# Altium PCB BMS_V2.1_Adv.PcbDoc (part 1 of 4) (continued)
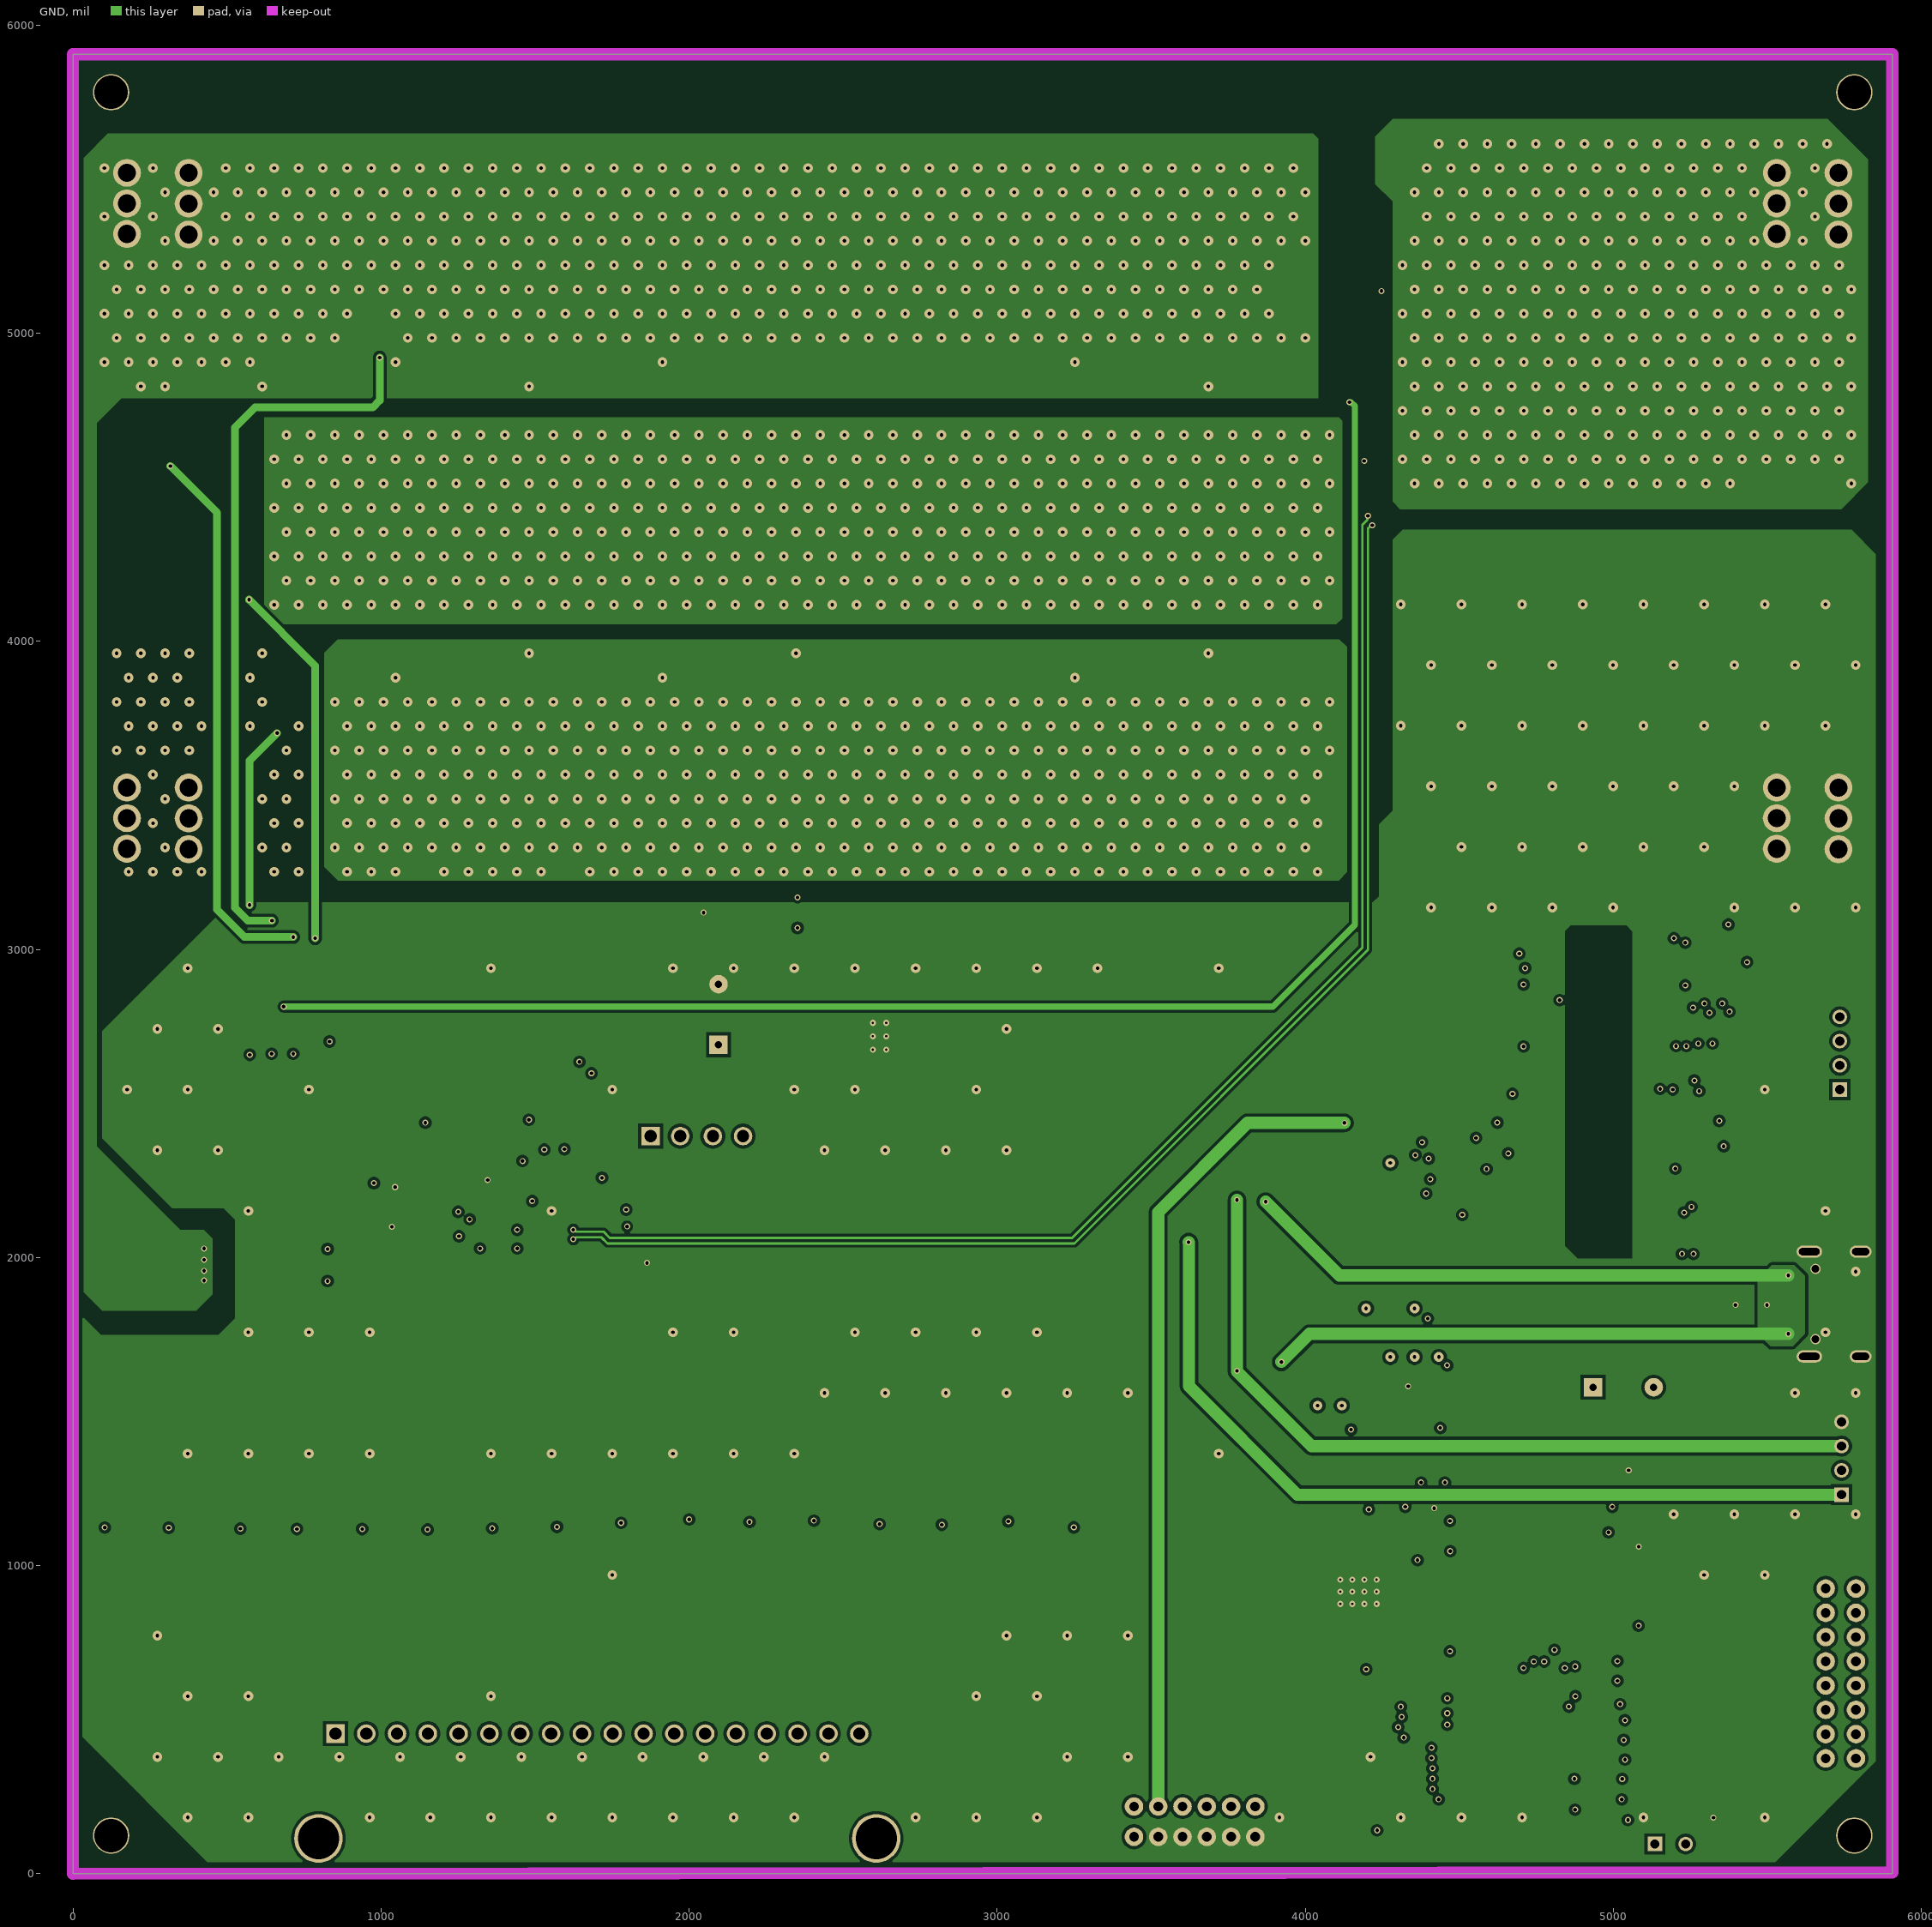
[diagram p3: GND]
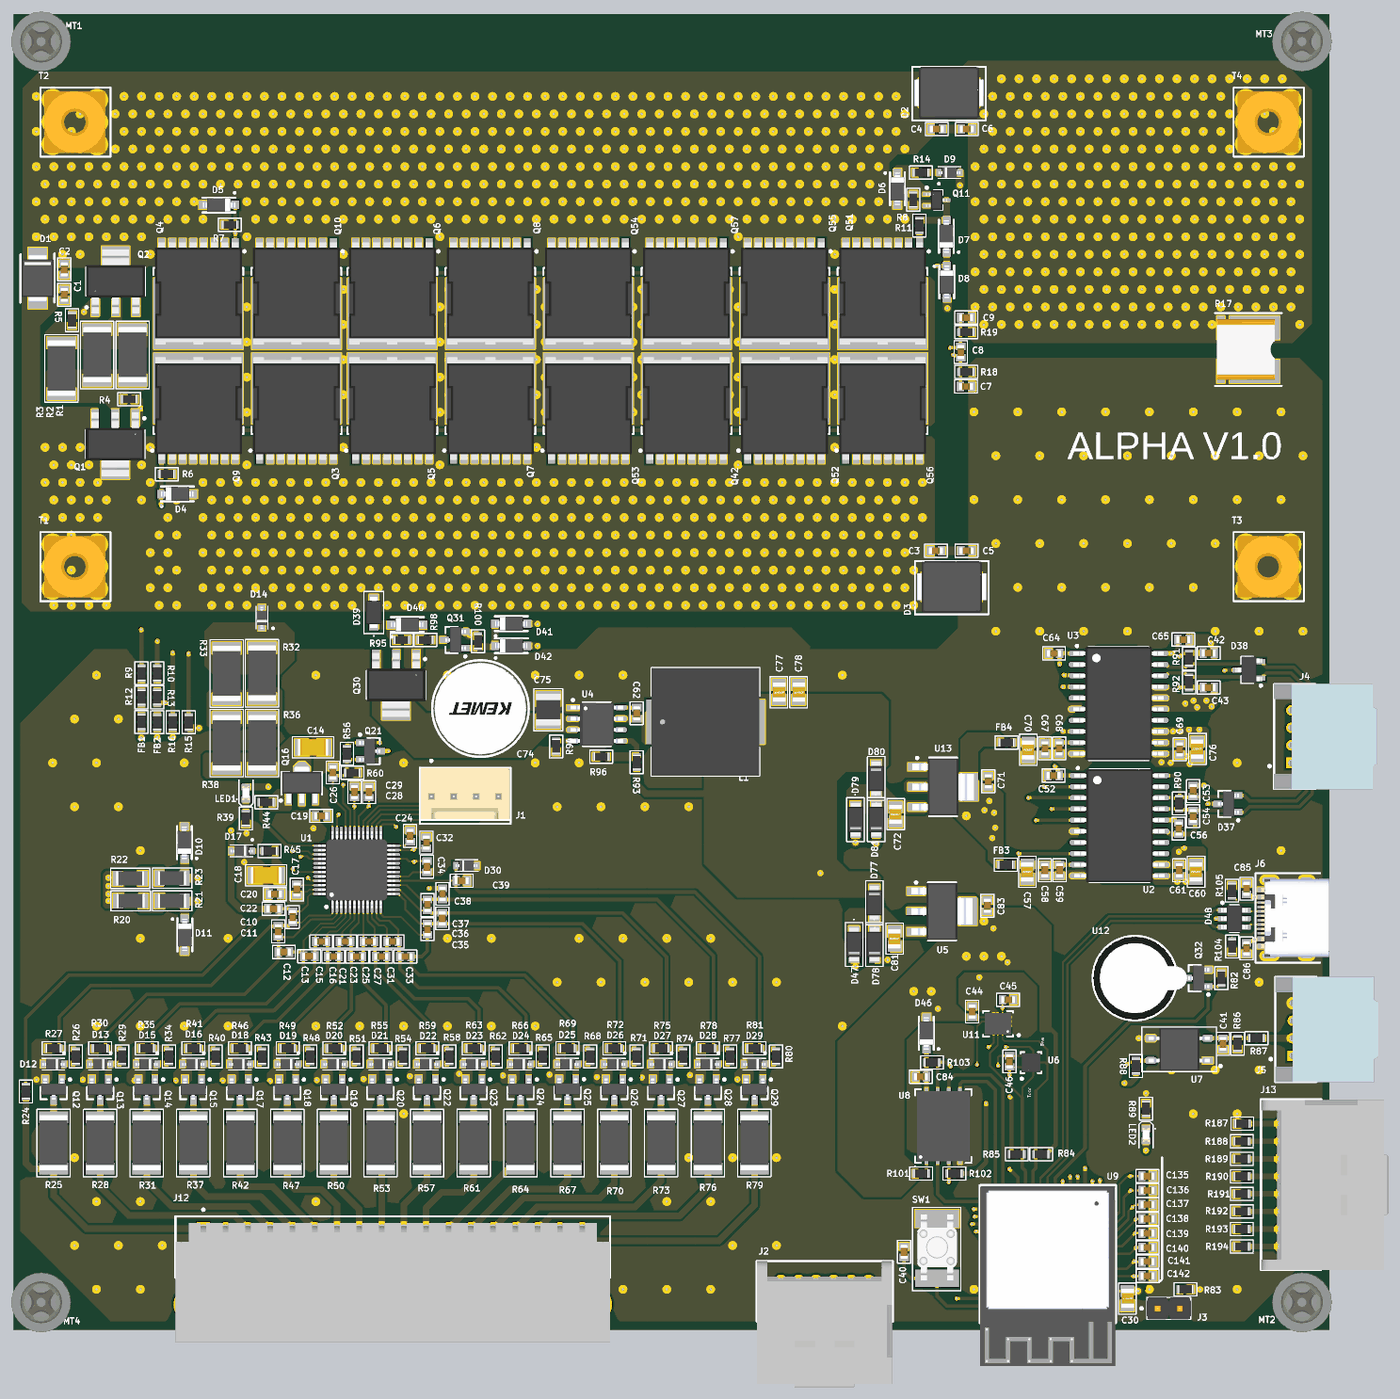
[diagram p7: 3D render of the assembled board from above, using the file's embedded part models]

## Layer stack, top to bottom
Top Solder: solder mask 0.4, Solder Resist, Dk 3.5
Top Layer: signal copper 1.4
Dielectric 2: prepreg 2.8, PP-006, Dk 4.1
PWR: signal copper 1.378
Dielectric 1: dielectric 12.6, FR-4, Dk 4.8
GND: signal copper 1.378
Dielectric 3: prepreg 2.8, PP-006, Dk 4.1
Bottom Layer: signal copper 1.4
Bottom Solder: solder mask 0.4, Solder Resist, Dk 3.5

## Board outline
0,0 0,5905.51 5905.51,5905.51 5905.51,0

## Design rules (kind name [scope] priority, off if disabled: settings)
Clearance [All] p1: gap=10 ignorepadtopadclearanceinfootprint=TRUE except(5: Arc-SMDPad Track-SMDPad SMDPad-SMDPad)
DiffPairsRouting [All] p1: maxlimit=10 minlimit=5 mostfreqgap=10 toplayer_minwidth=5 toplayer_maxwidth=15 toplayer_prefwidth=10 midlayer1_minwidth=5 midlayer1_maxwidth=15 midlayer1_prefwidth=10 midlayer2_minwidth=5 midlayer2_maxwidth=15 midlayer2_prefwidth=10 bottomlayer_minwidth=5 bottomlayer_maxwidth=15 bottomlayer_prefwidth=10 maxuncoupledlength=500
HoleSize [All] p1: absolutevalues=TRUE maxlimit=196.85 minlimit=1 maxpercent=80.000 minpercent=20.000
MinimumSolderMaskSliver [All] p1: minsoldermaskwidth=3
PlaneConnect [All] p1: planeconnectstyle=Direct reliefexpansion=20 reliefentries=4 reliefconductorwidth=10 reliefairgap=10
PolygonConnect [All] p1: connectstyle=Direct reliefconductorwidth=10 reliefentries=4 polygonreliefangle="90 Angle" airgapwidth=10
RoutingVias [All] p1: holewidth=28 width=50 viastyle="Through Hole" minholewidth=28 minwidth=50 maxholewidth=28 maxwidth=50
SilkToSolderMaskClearance [IsPad] p1: minsilkscreentomaskgap=2.99 clearancetoexposedcopper=TRUE
SolderMaskExpansion [All] p1: expansion=4 istentingtop=FALSE
SupplyNets "Schematic Supply Nets_20" [InNet('12V_SEC')] p1: voltage=0.000
SupplyNets "Schematic Supply Nets_18" [InNet('5V_AFE')] p2: voltage=0.000
SupplyNets "Schematic Supply Nets_17" [InNet('5V')] p3: voltage=0.000
SupplyNets "Schematic Supply Nets_16" [InNet('RS485_GND')] p4: voltage=0.000
SupplyNets "Schematic Supply Nets_15" [InNet('1.8V')] p5: voltage=0.000
SupplyNets "Schematic Supply Nets_14" [InNet('3.3V')] p6: voltage=0.000
SupplyNets "Schematic Supply Nets_13" [InNet('GND')] p7: voltage=0.000
SupplyNets "Schematic Supply Nets_11" [InNet('5V_CAN')] p8: voltage=0.000
SupplyNets "Schematic Supply Nets_10" [InNet('VBAT')] p9: voltage=0.000
SupplyNets "Schematic Supply Nets_6" [InNet('3.3V_AFE')] p10: voltage=0.000
SupplyNets "Schematic Supply Nets_5" [InNet('12V')] p11: voltage=0.000
SupplyNets "Schematic Supply Nets_2" [InNet('VBUS')] p12: voltage=0.000
SupplyNets "Schematic Supply Nets_1" [InNet('5V_RS485')] p13: voltage=0.000
SupplyNets "Schematic Supply Nets" [InNet('CAN_GND')] p14: voltage=0.000
UnRoutedNet [All] p1: checkbadconnections=TRUE
Width [All] p1: maxlimit=39.37 minlimit=5 preferedwidth=10 minimp=50.000000 maximp=50.000000 favimp=50.000000
24 further rules are at their usual default settings.

## Classes and differential pairs
component class "U_Pressure sensor": C46 U6
component class U_Connections1: C41 C135 C136 C137 C138 C139 C140 C141 C142 J5 J13 Q32 R82 R86 R87 R88 R187 R188 R189 R190 R191 R192 R193 R194 U7 U12
component class U_Accelerometer: C44 C45 U11
component class "U_USB - C": C85 C86 D48 J6 R104 R105
component class "U_Power Section": C62 C71 C72 C74 C75 C77 C78 C81 C83 D39 D40 D41 D42 D47 D77 D78 D79 D80 D81 L1 Q30 Q31 R93 R94 R95 R96 R98 R100 U4 U5 U13
component class "U_MOSFET Connections": C1 C2 C3 C4 C5 C6 C7 C8 C9 D1 D2 D3 D4 D5 D6 D7 D8 D9 D10 D11 FB1 FB2 MT1 MT2 MT3 MT4 Q1 Q2 Q3 Q4 Q5 Q6 Q7 Q8 Q9 Q10 Q11 Q42 Q51 Q52 Q53 Q54 Q55 Q56 Q57 R1 R2 R3 R4 R5 R6 R7 R8 R9 R10 R11 R12 R13 R14 R15 R16 R17 R18 R19 R20 R21 R22 R23 T1 T2 T3 T4
component class U_Monitoring_BQ76952: C10 C11 C12 C13 C14 C15 C16 C17 C18 C19 C20 C21 C22 C23 C24 C25 C26 C27 C28 C29 C31 C32 C33 C34 C35 C36 C37 C38 C39 D12 D13 D14 D15 D16 D17 D18 D19 D20 D21 D22 D23 D24 D25 D26 D27 D28 D29 D30 J1 J2 J12 LED1 Q12 Q13 Q14 Q15 Q16 Q17 Q18 Q19 Q20 Q21 Q22 Q23 Q24 Q25 Q26 Q27 Q28 Q29 R24 R25 R26 R27 R28 R29 R30 R31 R32 R33 R34 R35 R36 R37 R38 R39 R40 R41 R42 R43 R44 R45 R46 R47 R48 R49 R50 R51 R52 R53 R54 R55 R56 R57 R58 R59 R60 R61 R62 R63 R64 R65 R66 R67 R68 R69 R70 R71 R72 R73 R74 R75 R76 R77 R78 R79 R80 R81 U1
component class U_Memory_256M: C84 D46 R101 R102 R103 U8
component class "U_Isolated Communication": C42 C43 C52 C53 C54 C56 C57 C58 C59 C60 C61 C64 C65 C67 C68 C69 C70 C76 D37 D38 FB3 FB4 J4 R90 R91 R92 U2 U3
component class U_ESP32_S3: C30 C40 J3 LED2 R83 R84 R85 R89 SW1 U9
differential pair USB_D: +USB_D_P -USB_D_N
differential pair SR: +SR_P -SR_N
differential pair RS485: +RS485_P -RS485_N
differential pair D: +D_P -D_N
differential pair CAN: +CAN_P -CAN_N

## Components (designator, comment, footprint, x,y, rotation, side; value= is the part's Value field where it differs from the comment)
C1 "CC0603KRX7R0BB104" "CAPC1608X05N 0603" 227.93,4644.96 r90 top value=0.1uF
C2 "CC0603KRX7R0BB104" "CAPC1608X05N 0603" 227.93,4759.26 r90 top value=0.1uF
C3 "CC0603KRX7R0BB104" "CAPC1608X05N 0603" 4139,3497 r180 top value=0.1uF
C4 "CC0603KRX7R0BB104" "CAPC1608X05N 0603" 4143,5389 r180 top value=0.1uF
C5 "CC0603KRX7R0BB104" "CAPC1608X05N 0603" 4276.46,3497 r180 top value=0.1uF
C6 "CC0603KRX7R0BB104" "CAPC1608X05N 0603" 4277.68,5389 r180 top value=0.1uF
C7 "GRM188R72A104KA35D" "CAPC1608X05N 0603" 4274,4234 r180 top value="100 nF"
C8 "GRM188R72A104KA35D" "CAPC1608X05N 0603" 4250.39,4388.19 r90 top value="100 nF"
C9 "GRM188R72A104KA35D" "CAPC1608X05N 0603" 4275,4543 r0 top value="100 nF"
C10 "GCJ188R71A224KA01D" "CAPC1608X05N 0603" 1253,1853 r90 top value="220 nF"
C11 "GCJ188R71A224KA01D" "CAPC1608X05N 0603" 1188,1789 r90 top value="220 nF"
C12 "GCJ188R71A224KA01D" "CAPC1608X05N 0603" 1213.44,1696.25 r180 top value="220 nF"
C13 "GCJ188R71A224KA01D" "CAPC1608X05N 0603" 1327,1677 r180 top value="220 nF"
C14 "GCJ31CR72A105KA01K" "CAPC3216X19N 1206" 1344.45,2614.43 r180 top value=1uF
C15 "GCJ188R71A224KA01D" "CAPC1608X05N 0603" 1381,1743 r180 top value="220 nF"
C16 "GCJ188R71A224KA01D" "CAPC1608X05N 0603" 1435,1676 r180 top value="220 nF"
C17 "GRM188Z71E225KE43D" "CAPC1608X05N 0603" 1271.7,1976.42 r270 top value=2.2uF
C18 "GCJ31CR72A105KA01K" "CAPC3216X19N 1206" 1134,2040 r0 top value=1uF
C19 "CGA3E1X7R1C105K080AC" "CAPC1608X05N 0603" 1381,2306.84 r180 top value="1 uF"
C20 "GCM1885C2A101JA16J" "CAPC1608X05N 0603" 1173,1956 r0 top value=100pF
C21 "GCJ188R71A224KA01D" "CAPC1608X05N 0603" 1488,1743 r180 top value="220 nF"
C22 "GCJ188R71A224KA01D" "CAPC1608X05N 0603" 1167,1890 r180 top value="220 nF"
C23 "GCJ188R71A224KA01D" "CAPC1608X05N 0603" 1542,1676 r180 top value="220 nF"
C24 "GRM188R71A225KE15D" "CAPC1608X05N 0603" 1780,2217 r90 top value=2.2uF
C25 "GCJ188R71A224KA01D" "CAPC1608X05N 0603" 1595,1743 r180 top value="220 nF"
C26 "CC0603KRX7R7BB104" "CAPC1608X05N 0603" 1433.45,2501.72 r270 top value=100nF
C27 "GCJ188R71A224KA01D" "CAPC1608X05N 0603" 1650,1676 r180 top value="220 nF"
C28 "C0603C102J3GACAUTO" "CAPC1608X05N 0603" 1595.12,2413.7 r270 top value=1nF
C29 "C0603C102J3GACAUTO" "CAPC1608X05N 0603" 1530.18,2413.7 r270 top value=1nF
C30 "GRM21BZ71E106KE15L" "CAPC2012X13N 0805" 4998.17,142.16 r270 top value="10 uF"
C31 "GCJ188R71A224KA01D" "CAPC1608X05N 0603" 1701.18,1743 r180 top value="220 nF"
C32 "C0603C102J3GACAUTO" "CAPC1608X05N 0603" 1852.8,2187.05 r90 top value=1nF
C33 "GCJ188R71A224KA01D" "CAPC1608X05N 0603" 1758.68,1676 r180 top value="220 nF"
C34 "C0603C102J3GACAUTO" "CAPC1608X05N 0603" 1854.95,2079.02 r270 top value=1nF
C35 "GCJ188R71A224KA01D" "CAPC1608X05N 0603" 1858,1798.7 r270 top value="220 nF"
C36 "GCJ188R71A224KA01D" "CAPC1608X05N 0603" 1924,1847 r270 top value="220 nF"
C37 "GCJ188R71A224KA01D" "CAPC1608X05N 0603" 1858,1907 r270 top value="220 nF"
C38 "GCJ188R71A224KA01D" "CAPC1608X05N 0603" 1925,1956.73 r270 top value="220 nF"
C39 "GCJ188R71A224KA01D" "CAPC1608X05N 0603" 2011.36,2015.85 r180 top value="220 nF"
C40 "CC0603KRX7R7BB104" "CAPC1608X05N 0603" 3996,351 r270 top value=100nF
C41 "CC0603KRX7R7BB104" "CAPC1608X05N 0603" 5427.08,1284.06 r270 top value=100nF
C42 "C0603C102J3GACAUTO" "CAPC1608X05N 0603" 5363,3037.61 r180 top value=1nF
C43 "C0603C102J3GACAUTO" "CAPC1608X05N 0603" 5363,2883 r180 top value=1nF
C44 "CC0603KRX7R7BB104" "CAPC1608X05N 0603" 4302,1428.72 r270 top value=100nF
C45 "CC0603KRX7R7BB104" "CAPC1608X05N 0603" 4462.88,1481.9 r0 top value=100nF
C46 "CC0603KRX7R7BB104" "CAPC1608X05N 0603" 4469,1205.51 r90 top value=100nF
C52 "CC0603KRX7R7BB104" "CAPC1608X05N 0603" 4667,2488 r0 top value=100nF
C53 "CC0603JRNPO9BN470" "CAPC1608X05N 0603" 5293,2418.35 r90 top value=47pF
C54 "CC0603JRNPO9BN470" "CAPC1608X05N 0603" 5293,2306 r90 top value=47pF
C56 "CC0603KRX7R7BB104" "CAPC1608X05N 0603" 5229,2249.81 r90 top value=100nF
C57 "GRM21BZ71E106KE15L" "CAPC2012X13N 0805" 4549.89,2055.52 r90 top value="10 uF"
C58 "CGA3E1X7R1C105K080AC" "CAPC1608X05N 0603" 4628,2062.8 r90 top value="1 uF"
C59 "C0603C103K4RECTU" "CAPC1608X05N 0603" 4694,2062.8 r90 top value="10 nF"
C60 "GRM21BZ71E106KE15L" "CAPC2012X13N 0805" 5306.65,2055.52 r90 top value="10 uF"
C61 "CGA3E1X7R1C105K080AC" "CAPC1608X05N 0603" 5231,2062.8 r90 top value="1 uF"
C62 "CC0603KRX7R7BB104" "CAPC1608X05N 0603" 2796.47,2767.58 r270 top value=100nF
C64 "CC0603KRX7R7BB104" "CAPC1608X05N 0603" 4669,3036 r0 top value=100nF
C65 "CC0603KRX7R7BB104" "CAPC1608X05N 0603" 5249,3098.22 r0 top value=100nF
C67 "CGA3E1X7R1C105K080AC" "CAPC1608X05N 0603" 4628.27,2609.91 r90 top value="1 uF"
C68 "C0603C103K4RECTU" "CAPC1608X05N 0603" 4692.2,2609.91 r90 top value="10 nF"
C69 "CGA3E1X7R1C105K080AC" "CAPC1608X05N 0603" 5232.97,2605.52 r90 top value="1 uF"
C70 "GRM21BZ71E106KE15L" "CAPC2012X13N 0805" 4554,2603 r90 top value="10 uF"
C71 "CGA3E1X7R1C105K080AC" "CAPC1608X05N 0603" 4374,2462.2 r270 top value="1 uF"
C72 "GRM21BZ71E106KE15L" "CAPC2012X13N 0805" 3959,2313.97 r90 top value="10 uF"
C74 "ESW476M100AH2AA" "ALUMINIUM ELECTROLYTIC CAPACITOR" 2095.47,2788.58 r180 top value=47uF
C75 "HMK325B7225KMHT" "CAPC3225X28N 1210" 2399.68,2783.05 r270 top value=2.2uF
C76 "GRM21BZ71E106KE15L" "CAPC2012X13N 0805" 5312.65,2606.52 r90 top value="10 uF"
C77 "GRM21BZ71E106KE15L" "CAPC2012X13N 0805" 3434.47,2862.58 r270 top value="10 uF"
C78 "GRM21BZ71E106KE15L" "CAPC2012X13N 0805" 3522.53,2862.58 r270 top value="10 uF"
C81 "GRM21BZ71E106KE15L" "CAPC2012X13N 0805" 3954.17,1755.44 r90 top value="10 uF"
C83 "CGA3E1X7R1C105K080AC" "CAPC1608X05N 0603" 4370.17,1903.67 r270 top value="1 uF"
C84 "CGA3E1X7R1C105K080AC" "CAPC1608X05N 0603" 4071.8,1136.5 r180 top value="1 uF"
C85 "CGA3E1X7R1C105K080AC" "CAPC1608X05N 0603" 5532.56,1979.99 r270 top value="1 uF"
C86 "CGA3E1X7R1C105K080AC" "CAPC1608X05N 0603" 5532.56,1712.35 r90 top value="1 uF"
C135 "C0603C102J3GACAUTO" "CAPC1608X05N 0603" 5088.23,690.36 r180 top value=1nF
C136 "C0603C102J3GACAUTO" "CAPC1608X05N 0603" 5088.23,626.34 r180 top value=1nF
C137 "C0603C102J3GACAUTO" "CAPC1608X05N 0603" 5088.23,562.41 r180 top value=1nF
C138 "C0603C102J3GACAUTO" "CAPC1608X05N 0603" 5088.23,498.42 r180 top value=1nF
C139 "C0603C102J3GACAUTO" "CAPC1608X05N 0603" 5088.1,434.43 r180 top value=1nF
C140 "C0603C102J3GACAUTO" "CAPC1608X05N 0603" 5088.5,370.49 r180 top value=1nF
C141 "C0603C102J3GACAUTO" "CAPC1608X05N 0603" 5088.5,306.62 r180 top value=1nF
C142 "C0603C102J3GACAUTO" "CAPC1608X05N 0603" 5088.5,242.69 r180 top value=1nF
D1 "SMP100LC-140" DIODE_SMP100LC-140 109,4720 r90 top value=140V
D2 "SMDJ70A" DIODE_SMDJ70A 4198,5552 r180 top value=113V
D3 "SMDJ70A" DIODE_SMDJ70A 4210,3335 r180 top value=113V
D4 "MMSZ5246BQ-7-F" DIODE_SOD123 735.04,3750.64 r180 top value="16V 30mA"
D5 "MMSZ5246BQ-7-F" DIODE_SOD123 922.52,5049 r0 top value="16V 30mA"
D6 "MMSZ5246BQ-7-F" DIODE_SOD123 3965.57,5121.22 r90 top value="16V 30mA"
D7 "BAT46W-7-F" DIODE_SOD123 4186.87,4907 r270 top value="100V 150mA"
D8 "BAT46W-7-F" DIODE_SOD123 4186.87,4703.33 r90 top value="100V 150mA"
D9 "SBAS16HT1G" DIODE_SOD323 4199.71,5193.66 r180 top value="100V 200mA"
D10 "BAT46W-7-F" DIODE_SOD123 768.1,2186.45 r270 top value="100V 150mA"
D11 "BAT46W-7-F" DIODE_SOD123 768.1,1773.45 r90 top value="100V 150mA"
D12 "MM3Z5V1ST1G" DIODE_SOD323 180,1193 r0 top value=5.1V
D13 "MM3Z5V1ST1G" DIODE_SOD323 389,1193 r0 top value=5.1V
D14 "SBAS16HT1G" DIODE_SOD323 1114.96,3196 r270 top value="100V 200mA"
D15 "MM3Z5V1ST1G" DIODE_SOD323 598,1193 r0 top value=5.1V
D16 "MM3Z5V1ST1G" DIODE_SOD323 807,1193 r0 top value=5.1V
D17 "SBAS16HT1G" DIODE_SOD323 1024,2150 r0 top value="100V 200mA"
D18 "MM3Z5V1ST1G" DIODE_SOD323 1016.67,1193 r0 top value=5.1V
D19 "MM3Z5V1ST1G" DIODE_SOD323 1231,1193 r0 top value=5.1V
D20 "MM3Z5V1ST1G" DIODE_SOD323 1440,1193 r0 top value=5.1V
D21 "MM3Z5V1ST1G" DIODE_SOD323 1647,1193 r0 top value=5.1V
D22 "MM3Z5V1ST1G" DIODE_SOD323 1856,1193 r0 top value=5.1V
D23 "MM3Z5V1ST1G" DIODE_SOD323 2065,1193 r0 top value=5.1V
D24 "MM3Z5V1ST1G" DIODE_SOD323 2275,1193 r0 top value=5.1V
D25 "MM3Z5V1ST1G" DIODE_SOD323 2486,1193 r0 top value=5.1V
D26 "MM3Z5V1ST1G" DIODE_SOD323 2696,1193 r0 top value=5.1V
D27 "MM3Z5V1ST1G" DIODE_SOD323 2906,1193 r0 top value=5.1V
D28 "MM3Z5V1ST1G" DIODE_SOD323 3116,1193 r0 top value=5.1V
D29 "MM3Z5V1ST1G" DIODE_SOD323 3325,1193 r0 top value=5.1V
D30 "MM3Z5V1ST1G" DIODE_SOD323 2032.83,2083.75 r180 top value=5.1V
D37 "ESDA6V1L" SOT95P255X140-3N 5441,2361 r180 top
D38 "ESDCAN04-2BLY" SOT95P255X125-3N 5543,2962 r180 top
D39 "STPS2H100ZFY" SODFL350X110-2N 1617,3220 r90 top value="100V 2A"
D40 "MMSZ5246BQ-7-F" DIODE_SOD123 1767.08,3164.68 r180 top value="16V 30mA"
D41 "SBR80520LT1G" DIODE_SOD123 2233.47,3168.58 r180 top value="20V 500mA"
D42 "SBR80520LT1G" DIODE_SOD123 2233.47,3069.58 r180 top value="20V 500mA"
D46 "SBR80520LT1G" DIODE_SOD123 4097,1330.83 r270 top value="20V 500mA"
D47 "MBR120LSFT3G" SODFL360X98-2N 3772,1730.1 r270 top value="20V 1A"
D48 "USBLC6-2SC6" SOT95P280X145-6N 5478.43,1846 r0 top value=5.25V
D77 "MBR120LSFT3G" SODFL360X98-2N 3863,1917 r90 top value="20V 1A"
D78 "MBR120LSFT3G" SODFL360X98-2N 3863,1730.1 r270 top value="20V 1A"
D79 "MBR120LSFT3G" SODFL360X98-2N 3778,2290 r270 top value="20V 1A"
D80 "MBR120LSFT3G" SODFL360X98-2N 3871,2475 r90 top value="20V 1A"
D81 "MBR120LSFT3G" SODFL360X98-2N 3871,2290 r270 top value="20V 1A"
FB1 "74279265" "RESC1608X05N 0603" 574.22,2728.14 r90 top
FB2 "74279265" "RESC1608X05N 0603" 645,2727 r90 top
FB3 "74279265" "RESC1608X05N 0603" 4452.39,2088 r0 top
FB4 "74279265" "RESC1608X05N 0603" 4456,2636 r0 top
J1 "61900411121" CON_61900411121 2026,2406 r90 top value="4 Pin"
J2 "559591230" Con_0559591230 3640.63,169.21 r180 top value="12 Pin"
J3 "61300211121" CON_61300211121 5184,96.88 r0 top value="2 Pin"
J4 "559350430" CON_559350430 5746,2663 r90 top value="4 Pin"
J5 "559350430" CON_559350430 5751.81,1348.63 r90 top value="4 Pin"
J6 "USB4105-GF-A" CON_USB4105-GF-A 5745.43,1849 r90 top value="16 Pin"
J12 "0705550017" CON_705550017 1702,455 r90 top value="18 Pin"
J13 "559591630" Con_0559591630 5737.79,650.11 r270 top value=0559591630
L1 "MSS1210-683ME" INDP120120X102N 3105.47,2729.58 r0 top value="68uH - 2.8A"
LED1 "150060RS75000" "DIOC1610X08N LED" 1043.16,2409.57 r90 top value="30mA (Cont)"
LED2 "150060GS75000" "DIOC1610X08N LED" 5082,876 r270 top value=20mA
MT1 "M3 Mounting Hole" "MOUNTING HOLE" 124.25,5781.26 r0 top
MT2 "M3 Mounting Hole" "MOUNTING HOLE" 5781.26,124.25 r0 top
MT3 "M3 Mounting Hole" "MOUNTING HOLE" 5781.26,5781.26 r0 top
MT4 "M3 Mounting Hole" "MOUNTING HOLE" 124.25,124.25 r0 top
Q1 "ZXMP10A17GQTA" SOT230P700X180-4N 456.92,3974.86 r270 top value="100V 2.4A"
Q2 "ZXMP10A17GQTA" SOT230P700X180-4N 458,4705 r90 top value="100V 2.4A"
Q3 "NVBLS0D8N08XTXG" DPAK120P1168X240-9N 1270,4135 r90 top value="80V 457A"
Q4 "NVBLS0D8N08XTXG" DPAK120P1168X240-9N 830,4651.1 r270 top value="80V 457A"
Q5 "NVBLS0D8N08XTXG" DPAK120P1168X240-9N 1700,4135 r90 top value="80V 457A"
Q6 "NVBLS0D8N08XTXG" DPAK120P1168X240-9N 1700,4651.1 r270 top value="80V 457A"
Q7 "NVBLS0D8N08XTXG" DPAK120P1168X240-9N 2140,4135 r90 top value="80V 457A"
Q8 "NVBLS0D8N08XTXG" DPAK120P1168X240-9N 2140,4651.1 r270 top value="80V 457A"
Q9 "NVBLS0D8N08XTXG" DPAK120P1168X240-9N 830,4135 r90 top value="80V 457A"
Q10 "NVBLS0D8N08XTXG" DPAK120P1168X240-9N 1270,4651.1 r270 top value="80V 457A"
Q11 "2N7002KW" SOT65P210X110-3N 4142.57,5070.72 r0 top value="60V 310mA"
Q12 "DMG2302UK-7" SOT95P255X140-3N 180,1070 r270 top value="20V 2.8A"
Q13 "DMG2302UK-7" SOT95P255X140-3N 389,1070 r270 top value="20V 2.8A"
Q14 "DMG2302UK-7" SOT95P255X140-3N 598,1070 r270 top value="20V 2.8A"
Q15 "DMG2302UK-7" SOT95P255X140-3N 807,1070 r270 top value="20V 2.8A"
Q16 "FCX495TA" SOT89-150P410X160-3N 1293.94,2452.06 r90 top value="150V 1A"
Q17 "DMG2302UK-7" SOT95P255X140-3N 1016.67,1070 r270 top value="20V 2.8A"
Q18 "DMG2302UK-7" SOT95P255X140-3N 1229,1070 r270 top value="20V 2.8A"
Q19 "DMG2302UK-7" SOT95P255X140-3N 1438,1070 r270 top value="20V 2.8A"
Q20 "DMG2302UK-7" SOT95P255X140-3N 1647,1070 r270 top value="20V 2.8A"